# Altium PCB RelayTester.PcbDoc (part 1 of 2) (continued)
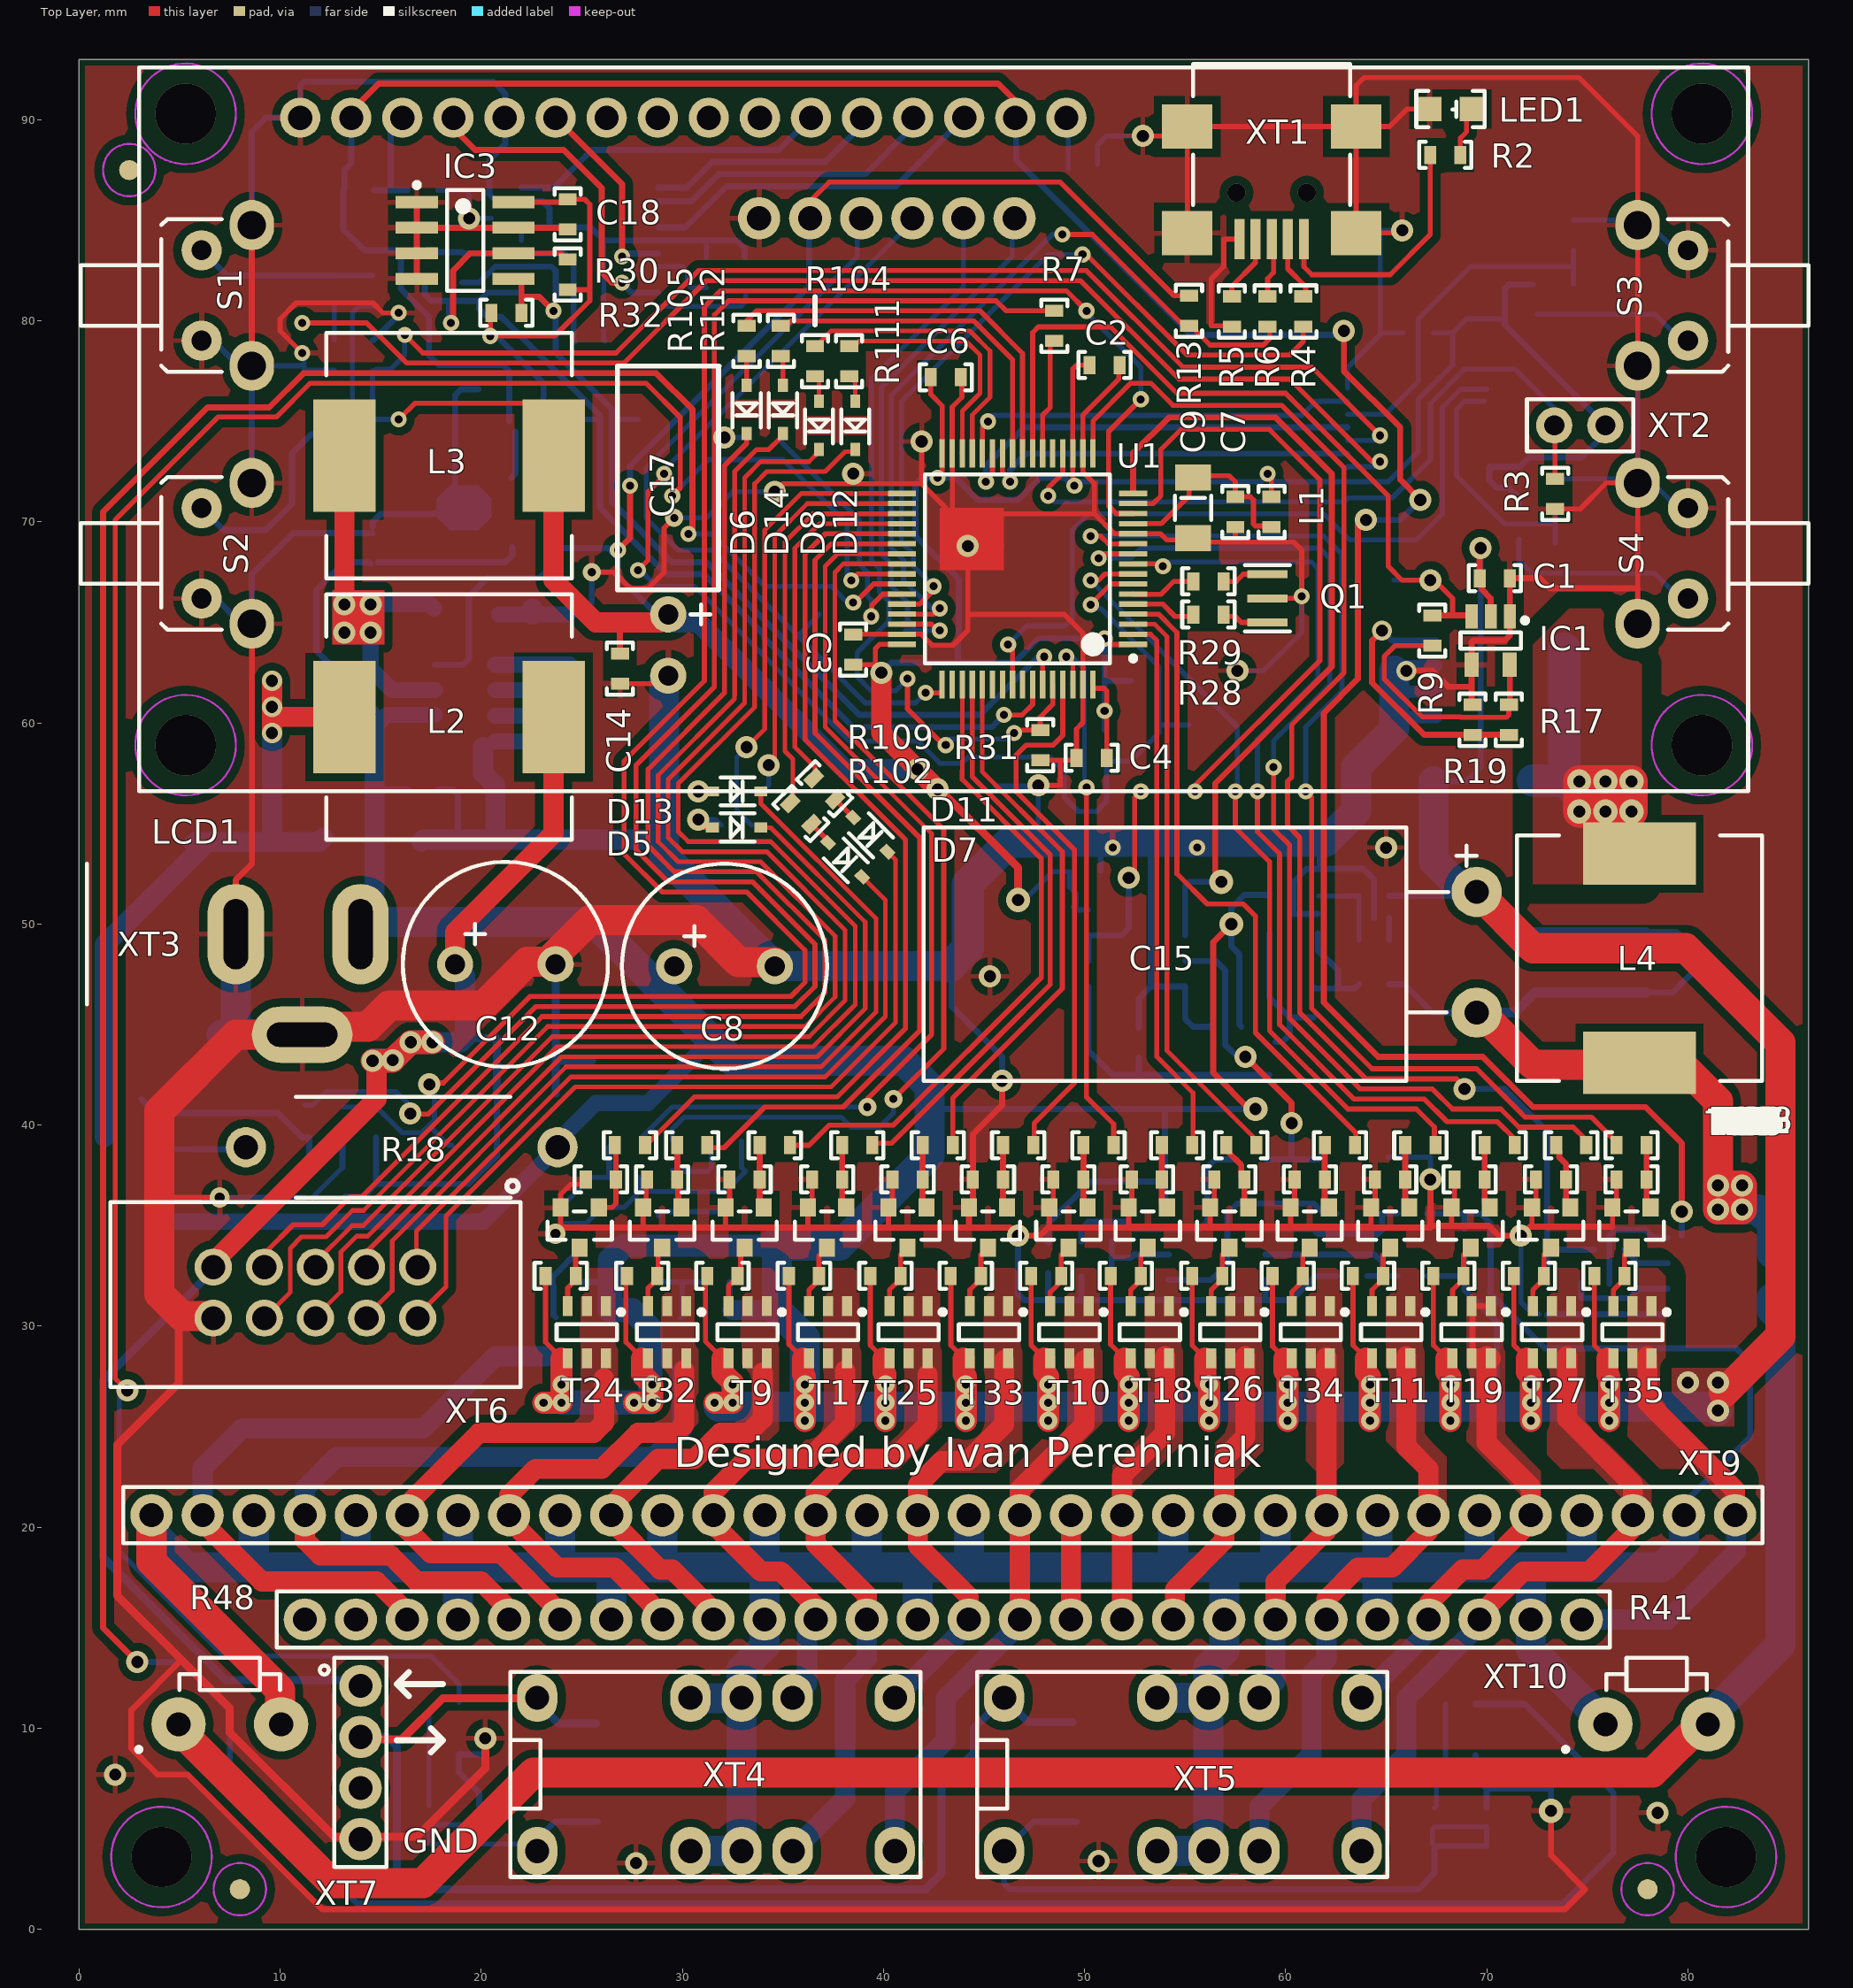
[diagram p0: Top Layer view]
## Footprints (in the part's own frame and the unit in brackets; to place one, negate y for a bottom-side part, rotate by r counter-clockwise, add the part's x,y. Pads: shape width x height; smd on the part's side, far side on the other; paste and mask are expansions set on the pad) (continued)
CSTCE_V [mm]
  rect 0.4x2 smd: 1(-1.2,0) 2(0,0) 3(1.2,0)
  silkscreen extent -1.65,-1.13 1.65,1.13, body extent -1.6,-0.67 1.6,0.63, height 1.02
DISPLAY1602 [mm]
  round 2 hole 1.2: 1(-32,15.5) 2(-29.46,15.5) 3(-26.92,15.5) 4(-24.38,15.5) 5(-21.84,15.5) 6(-19.3,15.5) 7(-16.76,15.5) 8(-14.22,15.5) 9(-11.68,15.5) 10(-9.14,15.5) 11(-6.6,15.5) 12(-4.06,15.5) 13(-1.52,15.5) 14(1.02,15.5) 15(3.56,15.5) 16(6.1,15.5)
  silkscreen extent -40,-18 40,18, body extent -40.1,-18.02 40.15,17.98, height 18.4
L0603 [mm]
  rect 0.6x0.9 smd: 1(-0.75,0) 2(0.75,0)
  silkscreen extent -1.3,-0.65 1.3,0.65, body extent -0.8,-0.4 0.8,0.4, height 0.8
LED0805 [mm]
  rect 1.2x1.2 smd: 1(-1.05,0) 2(1.05,0)
  silkscreen extent -1.7,-0.9 1.7,0.9, body extent -1,-0.62 1,0.63, height 0.64
MiniUSB [mm]
  rect 0.5x2 smd: 1(-1.6,3.8) 2(-0.8,3.8) 3(0,3.8) 4(0.8,3.8) 5(1.6,3.8)
  rect 2.5x2.2 smd: 5(-4.2,3.5) 5(-4.2,-1.8) 5(4.2,3.5) 5(4.2,-1.8)
  silkscreen extent -3.9,-4.9 3.9,2.1, body extent -4.95,-4.9 4.95,4.1, height 4.7
PLD10-2 [mm]
  round 1.85 hole 1.2: 1(-5.08,-1.27) 2(-5.08,1.27) 3(-2.54,-1.27) 4(-2.54,1.27) 5(0,-1.27) 6(0,1.27) 7(2.54,-1.27) 8(2.54,1.27) 9(5.08,-1.27) 10(5.08,1.27)
  silkscreen extent -10.2,-5.58 10.2,4.7, body extent -10.15,-4.4 10.15,4.7, height 10.6
PLS-2 [mm]
  round 1.8 hole 1 paste+0: 1(-2.54,0) 2(0,0)
  silkscreen extent -3.9,-1.3 1.4,1.3, body extent -3.84,-1.27 1.24,1.27, height 8.7
PLS-4 [mm]
  round 2.1 hole 1.2: 1(-3.81,0) 2(-1.27,0) 3(1.27,0) 4(3.81,0)
  silkscreen extent -5.2,-2.02 5.2,1.3, body extent -5.08,-1.27 5.08,1.27, height 8.7
PLS-6 [mm]
  round 2.1 hole 1.2: 1(-7.62,0) 2(-5.08,0) 3(-2.54,0) 4(0,0) 5(2.54,0) 6(5.08,0)
  silkscreen extent -9,-2.22 6.5,1.3, body extent -8.83,-1.27 6.4,1.29, height 8.7
PLS-26female [mm]
  round 2.1 hole 1.2: 1(0,0) 2(2.54,0) 3(5.08,0) 4(7.62,0) 5(10.16,0) 6(12.7,0) 7(15.24,0) 8(17.78,0) 9(20.32,0) 10(22.86,0) 11(25.4,0) 12(27.94,0) 13(30.48,0) 14(33.02,0) 15(35.56,0) 16(38.1,0) 17(40.64,0) 18(43.18,0) 19(45.72,0) 20(48.26,0) 21(50.8,0) 22(53.34,0) 23(55.88,0) 24(58.42,0) 25(60.96,0) 26(63.5,0)
  silkscreen extent -1.4,-1.4 64.9,1.4, body extent -1.27,-1.27 64.77,1.27, height 3.4
PLS-32female [mm]
  round 2.1 hole 1.2: 1(0,0) 2(2.54,0) 3(5.08,0) 4(7.62,0) 5(10.16,0) 6(12.7,0) 7(15.24,0) 8(17.78,0) 9(20.32,0) 10(22.86,0) 11(25.4,0) 12(27.94,0) 13(30.48,0) 14(33.02,0) 15(35.56,0) 16(38.1,0) 17(40.64,0) 18(43.18,0) 19(45.72,0) 20(48.26,0) 21(50.8,0) 22(53.34,0) 23(55.88,0) 24(58.42,0) 25(60.96,0) 26(63.5,0) 27(66.04,0) 28(68.58,0) 29(71.12,0) 30(73.66,0) 31(76.2,0) 32(78.74,0)
  silkscreen extent -1.4,-1.4 80.1,1.4, body extent -1.27,-1.27 80.01,1.27, height 3.4
PowerJack5.5x2.1 [mm]
  oval 2.8x5 hole 1.2 slot 3.5 at 90 deg: 1(0,0) 2(6.2,0)
  oval 5x2.8 hole 1.2 slot 3.5 at 0 deg: 1(3.3,-5)
  silkscreen extent -7.4,-3.5 -7.4,3.5, body extent -7.4,-5.3 7,4.1, height 11.05
R0603 [mm]
  rect 0.6x0.9 smd: 1(-0.75,0) 2(0.75,0)
  silkscreen extent -1.3,-0.65 1.3,0.65, body extent -0.8,-0.4 0.8,0.4, height 0.45
R1206 [mm]
  rect 1.1x1.6 smd: 1(-1.5,0) 2(1.5,0)
  silkscreen extent -2.4,-1.1 2.4,1.1, body extent -1.6,-0.8 1.6,0.8, height 0.6
RelaySocket16Pin [mm]
  oval 2x2.4 hole 1.2 unplated: 1(-10.16,-3.81) 2(-2.54,-3.81) 3(0,-3.81) 4(2.54,-3.81) 5(7.62,-3.81) 6(7.62,3.81) 7(2.54,3.81) 8(0,3.81) 9(-2.54,3.81) 10(-10.16,3.81)
  silkscreen extent -11.5,-5.1 8.9,5.1, body extent -11.46,-5.06 8.86,5.1, height 4.19
RESISTOR_2W-2 [mm] "15mm"
  round 2 hole 1.2: 1(-7.75,0) 2(7.75,0)
  silkscreen extent -5.28,-2.5 5.43,2.5, body extent -7.87,-2.52 8.07,2.47, height 6.5
SMA [mm] "4007 diode(in SMD pack)"
  rect 2x2.3 smd: 1(-2.44,0) 2(2.44,0)
  silkscreen extent -1,-1.3 1,1.3, body extent -2.8,-1.47 2.8,1.48, height 2.7
SOD123 [mm] "diode(in SMD pack)"
  rect 0.9x0.8 smd: 1(-1.7,0) 2(1.7,0)
  silkscreen extent -0.8,-0.9 0.9,0.9, body extent -1.65,-0.8 1.65,0.8, height 1.2
SOD323 [mm] "diode(in SMD pack)"
  rect 0.65x0.5 smd: 1(-1.2,0) 2(1.2,0)
  silkscreen extent -0.8,-0.7 0.9,0.7, body extent -1.3,-0.68 1.3,0.68, height 1.1
SOIC_N [mm] "SOIC, 8-Leads, Body 4.9x3.9mm, Pitch 1.27mm, IPC Medium Density"
  rect 2.1x0.6 smd: 1(-2.4,1.905) 2(-2.4,0.635) 3(-2.4,-0.635) 4(-2.4,-1.905) 5(2.4,-1.905) 6(2.4,-0.635) 7(2.4,0.635) 8(2.4,1.905)
  silkscreen extent -2.53,-2.5 0.9,2.88, body extent -2.9,-2.4 2.9,2.4, height 1.75
SOT23-5 [mm] "SOT23, 5-Leads, Body 2,90x2,85mm, Pitch 0,95mm, IPC Medium Density"
  rect 1.2x0.6 smd: 1(-1.2,0.95) 2(-1.2,0) 3(-1.2,-0.95)
  rect 1.2x0.7 smd: 4(1.2,-0.95) 5(1.2,0.95)
  silkscreen extent -1.13,-1.5 0.4,1.82, body extent -1.5,-1.5 1.5,1.5, height 1.2
"SOT23-6 - MOSFET" [mm] "SOT23, 6-Leads, Body 2,90x2,85mm, Pitch 0,95mm, IPC Medium Density"
  rect 1x0.5 smd: 1(-1.3,-0.95) 2(-1.3,0) 2(-1.3,0.95) 2(1.3,0) 2(1.3,0.95) 3(1.3,-0.95)
  silkscreen extent -1.12,-1.5 0.4,1.82, body extent -1.21,-1.4 1.21,1.4, height 1.09
"SOT23-6 - mosfet" [mm] "SOT23, 6-Leads, Body 2,90x2,85mm, Pitch 0,95mm, IPC Medium Density"
  rect 1x0.5 smd: 1(-1.3,-0.95) 2(-1.3,0) 2(-1.3,0.95) 2(1.3,0) 2(1.3,0.95) 3(1.3,-0.95)
  silkscreen extent -1.12,-1.5 0.4,1.82, body extent -1.21,-1.4 1.21,1.4, height 1.09
SOT89-3 [mm] "SOT89, 3-Leads, Body 4,50x2,50mm, Pitch 1,50mm, Lead Span 3,6mm, IPC Medium Density"
  rect 2x0.9 smd: 1(-1.35,1.5) 3(-1.35,-1.5)
  rect 2x0.96 smd: 2(-1.35,0)
  Top Layer region: -0.35,0.48 0.285,1.115 1.715,1.115 2.35,0.48 2.35,-0.48 1.715,-1.115 0.285,-1.115 -0.35,-0.48
  silkscreen extent -1.58,-2.35 1.9,2.62, body extent -1.85,-2.35 2.15,2.35, height 1.6
SOT-23 [mm]
  rect 0.8x0.9 smd: 1(-0.95,-1) 2(0.95,-1) 3(0,1)
  silkscreen extent -1.6,-0.8 1.6,0.6, body extent -1.5,-1.35 1.5,1.15, height 1.1
SSOP14 [mm] "SOP, 14-Leads, Body 6,20x5,30mm, Pitch 0,65mm, IPC Medium Density"
  rect 1.65x0.4 smd: 1(-3.525,1.95) 2(-3.525,1.3) 3(-3.525,0.65) 4(-3.525,0) 5(-3.525,-0.65) 6(-3.525,-1.3) 7(-3.525,-1.95) 8(3.525,-1.95) 9(3.525,-1.3) 10(3.525,-0.65) 11(3.525,0) 12(3.525,0.65) 13(3.525,1.3) 14(3.525,1.95)
  silkscreen extent -3.65,-3.2 2.3,3.2, body extent -3.88,-3.2 3.88,3.2, height 2
SSOP-20N [mm] "TSOP, 20-Leads, Body 6,50x4,40mm, Pitch 0,65mm, IPC Medium Density"
  rect 1.6x0.43 smd: 1(-3.4,2.95) 10(-3.4,-2.95) 11(3.4,-2.95) 20(3.4,2.95)
  rect 1.6x0.38 smd: 2(-3.4,2.275) 3(-3.4,1.625) 4(-3.4,0.975) 5(-3.4,0.325) 6(-3.4,-0.325) 7(-3.4,-0.975) 8(-3.4,-1.625) 9(-3.4,-2.275) 12(3.4,-2.275) 13(3.4,-1.625) 14(3.4,-0.975) 15(3.4,-0.325) 16(3.4,0.325) 17(3.4,0.975) 18(3.4,1.625) 19(3.4,2.275)
  silkscreen extent -3.07,-3.3 1.85,3.82, body extent -3.2,-3.3 3.2,3.3, height 1.5
STM-LQFP64_V [mm] "Thin QFP, 64-Leads, Body 10x10mm, Pitch 0.5mm, ST Recommended"
  rect 1.4x0.27 smd: 1(-5.75,3.75) 2(-5.75,3.25) 3(-5.75,2.75) 4(-5.75,2.25) 5(-5.75,1.75) 6(-5.75,1.25) 7(-5.75,0.75) 8(-5.75,0.25) 9(-5.75,-0.25) 10(-5.75,-0.75) 11(-5.75,-1.25) 12(-5.75,-1.75) 13(-5.75,-2.25) 14(-5.75,-2.75) 15(-5.75,-3.25) 16(-5.75,-3.75) 33(5.75,-3.75) 34(5.75,-3.25) 35(5.75,-2.75) 36(5.75,-2.25) 37(5.75,-1.75) 38(5.75,-1.25) 39(5.75,-0.75) 40(5.75,-0.25) 41(5.75,0.25) 42(5.75,0.75) 43(5.75,1.25) 44(5.75,1.75) 45(5.75,2.25) 46(5.75,2.75) 47(5.75,3.25) 48(5.75,3.75)
  rect 0.27x1.4 smd: 17(-3.75,-5.75) 18(-3.25,-5.75) 19(-2.75,-5.75) 20(-2.25,-5.75) 21(-1.75,-5.75) 22(-1.25,-5.75) 23(-0.75,-5.75) 24(-0.25,-5.75) 25(0.25,-5.75) 26(0.75,-5.75) 27(1.25,-5.75) 28(1.75,-5.75) 29(2.25,-5.75) 30(2.75,-5.75) 31(3.25,-5.75) 32(3.75,-5.75) 49(3.75,5.75) 50(3.25,5.75) 51(2.75,5.75) 52(2.25,5.75) 53(1.75,5.75) 54(1.25,5.75) 55(0.75,5.75) 56(0.25,5.75) 57(-0.25,5.75) 58(-0.75,5.75) 59(-1.25,5.75) 60(-1.75,5.75) 61(-2.25,5.75) 62(-2.75,5.75) 63(-3.25,5.75) 64(-3.75,5.75)
  silkscreen extent -5.87,-4.7 4.6,4.7, body extent -6.07,-6.07 6.07,6.07, height 1.62
SW_TACT_HOR [mm]
  oval 2.2x2.5 hole 1.4: 1(2.5,3.5) 3(2.5,-3.5)
  round 2 hole 1: 2(0,2.25) 4(0,-2.25)
  silkscreen extent -6,-3.8 1,3.8, body extent -8.37,-4.18 4.1,4.18, height 7.37
TO-220-2-HOR [mm] "TO-220, 3x0.8 , P-2.54"
  round 2.7 hole 1.2: 1(-2.55,0) 2(2.55,0)
  silkscreen extent -4.62,-1.35 2.5,3.3, body extent -5,-0.4 5,20.2, height 1.22

## Part data
C1 C2 C3 C4 C6 C7 C10 C11 C13 C14 C16 C18 C20 C21 C22 C23 C24 C25 C26 C27 C29 C30 C31: library part GMK316F475ZG-T, "CAP CER 0.1UF 50V X7R 0603", Package / Case="0603 (1608 Metric)", Category=Capacitors, ComponentLink1Description=https://search.kemet.com/component-edge/download/datasheet/C0603C104K5RACTU.pdf, ComponentLink1URL=https://search.kemet.com/component-edge/download/datasheet/C0603C104K5RACTU.pdf, Manufacturer Part Number=GMK316F475ZG-T
C5: library part GRM188R71E105KA12D, "CAP CER 1UF 25V X7R 0603", Package / Case="0603 (1608 Metric)", Category=Capacitors, Manufacturer Part Number=GRM188R71E105KA12D
C8: library part EEU-FC1V221L, "CAP ALUM 220UF 20% 35V RADIAL", Package / Case="Radial, Can", Category=Capacitors, Manufacturer Part Number=EEU-FC1V221L
C9 C32: library part T491A475K010AT, "CAP TANT 4.7UF 10V 10% 1206", Package / Case="1206 (3216 Metric)", Category=Capacitors, Manufacturer Part Number=T491A475K010AT
C12: library part CE-1000/16PHT-Y, "CAP ALUM 1000UF 20% 16V RADIAL", Package / Case="Radial, Can", Category=Capacitors, Manufacturer Part Number=CE-1000/16PHT-Y
C15: library part UVR1C332MHD, "CAP ALUM 3300UF 20% 16V RADIAL", Package / Case="Radial, Can", Category=Capacitors, Manufacturer Part Number=UVR1C332MHD
C17: library part EEUFC1A221SH, "CAP ALUM 220UF 20% 10V RADIAL", Package / Case="Radial, Can", Category=Capacitors, Manufacturer Part Number=EEUFC1A221SH
C19 C28: library part CL10B202KB8NNNC, "CAP CER 2000PF 50V X7R 0603", Package / Case="0603 (1608 Metric)", Category=Capacitors, ComponentLink1Description=https://search.kemet.com/component-edge/download/datasheet/C0603C104K5RACTU.pdf, ComponentLink1URL=https://search.kemet.com/component-edge/download/datasheet/C0603C104K5RACTU.pdf, ComponentLink2Description=http://media.digikey.com/pdf/Data%20Sheets/Samsung%20PDFs/CL_Series_MLCC_ds.pdf, ComponentLink2URL=http://media.digikey.com/pdf/Data%20Sheets/Samsung%20PDFs/CL_Series_MLCC_ds.pdf, Manufacturer Part Number=CL10B202KB8NNNC
D1: "DIODE SCHOTTKY 2A 40V SMA", Package / Case="DO-214AC, SMA", Category="Discrete Semiconductor Products", Manufacturer Part Number=B260A-13-F
D2 D3: "DIODE SCHOTTKY 5A 40V SMA", Package / Case="DO-214AC, SMA", Category="Discrete Semiconductor Products", Manufacturer Part Number=SK54A-LTP
D4: library part BZT52C3V3-7-F, "Diode Zener Single 3.3V 6% 370mW 2-Pin SOD-123 T/R", Package / Case=SOD-123, Category="Discrete Semiconductor Products", Manufacturer Part Number=BZT52C3V3-7-F
D5 D6 D7 D8 D11 D12 D13 D14: library part 1N4148WX-TP, "DIODE GEN PURP 75V 150MA SOD323", Base Part Number=1N4148WX, Package / Case="SC-76, SOD-323", Category="Discrete Semiconductor Products", Manufacturer Part Number=1N4148WX-TP
D9 D10: library part ES1J-LTP, "DIODE GEN PURP 600V 1A DO214AC", Package / Case="DO-214AC, SMA", Category="Discrete Semiconductor Products", Manufacturer Part Number=ES1J-LTP
DA1: "IC OPAMP GP 1.3MHZ RRO SOT23-5", Manufacturer Part Number=LMV321ILT, Package / Case="SC-74A, SOT-753", Category="Integrated Circuits (ICs)"
DA2 DA3: library part LM358DT, "Dual IC OPAMP GP 1.1MHZ 8SO", Package / Case="8-SOIC (0.154\", 3.90mm Width)", Category="Integrated Circuits (ICs)", ComponentLink4Description=http://www.st.com/content/ccc/resource/technical/document/datasheet/61/46/87/01/98/ed/44/c5/CD00000464.pdf/files/CD00000464.pdf/jcr:content/translations/en.CD00000464.pdf, ComponentLink4URL=http://www.st.com/content/ccc/resource/technical/document/datasheet/61/46/87/01/98/ed/44/c5/CD00000464.pdf/files/CD00000464.pdf/jcr:content/translations/en.CD00000464.pdf, Manufacturer Part Number=LM358DT
IC1: library part MCP1416T-E/OT, "IC MOSFET DVR 1.5A HS SOT23-5", Package / Case="SC-74A, SOT-753,sot23/5", Category="Integrated Circuits (ICs)", Manufacturer Part Number=MCP1416T-E/OT
IC2: "BUCK CONV 3.3V 1A", Package / Case=SOIC8, Category="Discrete Semiconductor Products", Manufacturer Part Number=MIC4680-3.3BM
IC3: library part M24C32-WMN6TP, "IC EEPROM 32KBIT 400KHZ 8SO", Package / Case="8-SOIC (0.154\", 3.90mm Width)", Category="Integrated Circuits (ICs)", Manufacturer Part Number=M24C32-WMN6TP
IC4: library part MC74HC14ADR2G, "IC INVERTER HEX SCHMITT 14SOIC", Package / Case="14-SOIC (0.154\", 3.90mm Width)", Category="Integrated Circuits (ICs)", Manufacturer Part Number=MC74HC14ADR2G
IC5: library part ACS712ELCTR-05B, "SENSOR CURRENT HALL 5A AC/DC", Manufacturer Part Number=ACS712ELCTR-05B-T, Package / Case="8-SOIC (0.154\", 3.90mm Width)", Category="Sensors, Transducers"
IC6: library part PCF8574APWR, "IC I/O EXPANDER I2C 8B 20TSSOP", Package / Case="20-TSSOP (0.173\", 4.40mm Width)", Category="Integrated Circuits (ICs)", Manufacturer Part Number=PCF8574APWR
IC7: "IC REG LINEAR 5V 100MA SOT89-3", Package / Case=TO-243AA, Category="Integrated Circuits (ICs)", Manufacturer Part Number=L78L05ACU
L1: library part BLM18TG601TN1D, "FERRITE BEAD 600 OHM 0603 1LN", Package / Case="0603 (1608 Metric)", Category=Filters, Manufacturer Part Number=BLM18TG601TN1D
L2: library part DE1207-470, "FIXED IND 470UH 1A 741 MOHM SMD", Manufacturer Part Number=DE1207-390, Package / Case=Nonstandard(10x10), Category="Inductors, Coils, Chokes"
L3: library part DE1205-82, "FIXED IND 82UH 1.2A SMD", Package / Case=Nonstandard(12x12), Category="Inductors, Coils, Chokes", Manufacturer Part Number=DE1205-82
L4: library part DE1209-22, "FIXED IND 22UH 5A 39 MOHM SMD", Package / Case=Nonstandard(12.6x12.6), Category="Inductors, Coils, Chokes", Manufacturer Part Number=DE1209-22
LCD1: library part Display1602, "DISP 1602 THT"
LED1: library part "LG R971-KN-1", "LED GREEN DIFFUSED 0805 SMD", Package / Case="0805 (2012 Metric)", Category=Optoelectronics, Manufacturer Part Number="LG R971-KN-1"
Q1: library part CSTCE8M00G55Z-R0, "CER RES 8.0000MHZ 33PF SMD", Package / Case="3-SMD, Non-Standard", Category="Crystals, Oscillators, Resonators", ComponentLink1Description=http://www.murata.com/~/media/webrenewal/support/library/catalog/products/timingdevice/ceralock/p16e.ashx, ComponentLink1URL=http://www.murata.com/~/media/webrenewal/support/library/catalog/products/timingdevice/ceralock/p16e.ashx, Manufacturer Part Number=CSTCE8M00G55Z-R0
R1 R4 R6 R7 R17: library part CRCW060322R0FKEA, "RES SMD 22 OHM 1% 1/10W 0603", Package / Case="0603 (1608 Metric)", Category=Resistors, Manufacturer Part Number=CRCW060322R0FKEA
R2 R60 R66 R119: library part ERJ-3GEYJ102V, "RES SMD 1K OHM 5% 1/10W 0603", Package / Case="0603 (1608 Metric)", Category=Resistors, ComponentLink1Description=https://industrial.panasonic.com/cdbs/www-data/pdf/RDA0000/AOA0000C304.pdf, ComponentLink1URL=https://industrial.panasonic.com/cdbs/www-data/pdf/RDA0000/AOA0000C304.pdf, ComponentLink2Description=http://industrial.panasonic.com/www-cgi/jvcr13pz.cgi?E+PZ+3+AOA0005+ERJS03J101V+7+WW, ComponentLink2URL=http://industrial.panasonic.com/www-cgi/jvcr13pz.cgi?E+PZ+3+AOA0005+ERJS03J101V+7+WW, ComponentLink3Description=https://industrial.panasonic.com/cdbs/www-data/pdf/RDO0000/AOA0000C331.pdf, ComponentLink3URL=https://industrial.panasonic.com/cdbs/www-data/pdf/RDO0000/AOA0000C331.pdf, Manufacturer Part Number=ERJ-3GEYJ102V
R3 R20 R24 R108 R118: library part CRCW060310K0FKTABC, "RES SMD 10K OHM 1% 1/10W 0603", Package / Case="0603 (1608 Metric)", Category=Resistors, Manufacturer Part Number=CRCW060310K0FKTABC
R5 R11 R12 R14 R15 R16 R19 R42 R43 R44 R45 R46 R47 R49 R50 R62 R63 R64 R65 R75 R76 R77 R78 R87 R88 R89 R90 R95 R96 R97 R98 R99 R100: library part ERJ-S03J104V, "RES SMD 100K OHM 5% 1/10W 0603", Package / Case="0603 (1608 Metric)", Category=Resistors, ComponentLink1Description=https://industrial.panasonic.com/cdbs/www-data/pdf/RDA0000/AOA0000C304.pdf, ComponentLink1URL=https://industrial.panasonic.com/cdbs/www-data/pdf/RDA0000/AOA0000C304.pdf, ComponentLink2Description=http://industrial.panasonic.com/www-cgi/jvcr13pz.cgi?E+PZ+3+AOA0005+ERJS03J101V+7+WW, ComponentLink2URL=http://industrial.panasonic.com/www-cgi/jvcr13pz.cgi?E+PZ+3+AOA0005+ERJS03J101V+7+WW, ComponentLink3Description=https://industrial.panasonic.com/cdbs/www-data/pdf/RDO0000/AOA0000C331.pdf, ComponentLink3URL=https://industrial.panasonic.com/cdbs/www-data/pdf/RDO0000/AOA0000C331.pdf, Manufacturer Part Number=ERJ-S03J104V
R8 R9: library part ERJ-S03J101V, "RES SMD 100 OHM 5% 1/10W 0603", Package / Case="0603 (1608 Metric)", Category=Resistors, ComponentLink1Description=https://industrial.panasonic.com/cdbs/www-data/pdf/RDA0000/AOA0000C304.pdf, ComponentLink1URL=https://industrial.panasonic.com/cdbs/www-data/pdf/RDA0000/AOA0000C304.pdf, ComponentLink2Description=http://industrial.panasonic.com/www-cgi/jvcr13pz.cgi?E+PZ+3+AOA0005+ERJS03J101V+7+WW, ComponentLink2URL=http://industrial.panasonic.com/www-cgi/jvcr13pz.cgi?E+PZ+3+AOA0005+ERJS03J101V+7+WW, Manufacturer Part Number=ERJ-S03J101V
R10 R30 R31 R32 R37 R38 R39 R40 R56 R57 R58 R59 R71 R72 R73 R74 R79 R80 R81 R82 R91 R92 R93 R94 R113 R114 R115 R116: library part ERJ-S03J103V, "RES SMD 10K OHM 5% 1/10W 0603", Package / Case="0603 (1608 Metric)", Category=Resistors, ComponentLink1Description=https://industrial.panasonic.com/cdbs/www-data/pdf/RDA0000/AOA0000C304.pdf, ComponentLink1URL=https://industrial.panasonic.com/cdbs/www-data/pdf/RDA0000/AOA0000C304.pdf, ComponentLink2Description=http://industrial.panasonic.com/www-cgi/jvcr13pz.cgi?E+PZ+3+AOA0005+ERJS03J101V+7+WW, ComponentLink2URL=http://industrial.panasonic.com/www-cgi/jvcr13pz.cgi?E+PZ+3+AOA0005+ERJS03J101V+7+WW, ComponentLink3Description=https://industrial.panasonic.com/cdbs/www-data/pdf/RDO0000/AOA0000C331.pdf, ComponentLink3URL=https://industrial.panasonic.com/cdbs/www-data/pdf/RDO0000/AOA0000C331.pdf, Manufacturer Part Number=ERJ-S03J103V